# Altium PCB dAir_0.0.0.4_07052022.PcbDoc (part 2 of 2)
Units mm, origin at the board's own origin, x right, y up, seen from the top; angles counter-clockwise.
Board outline 90 x 83.2 mm, 2 copper layers (Top Layer, Bottom Layer); 92 components, 56 nets, 317 pads, 160 vias.
Unrouted connection lines stored in the file: 2.
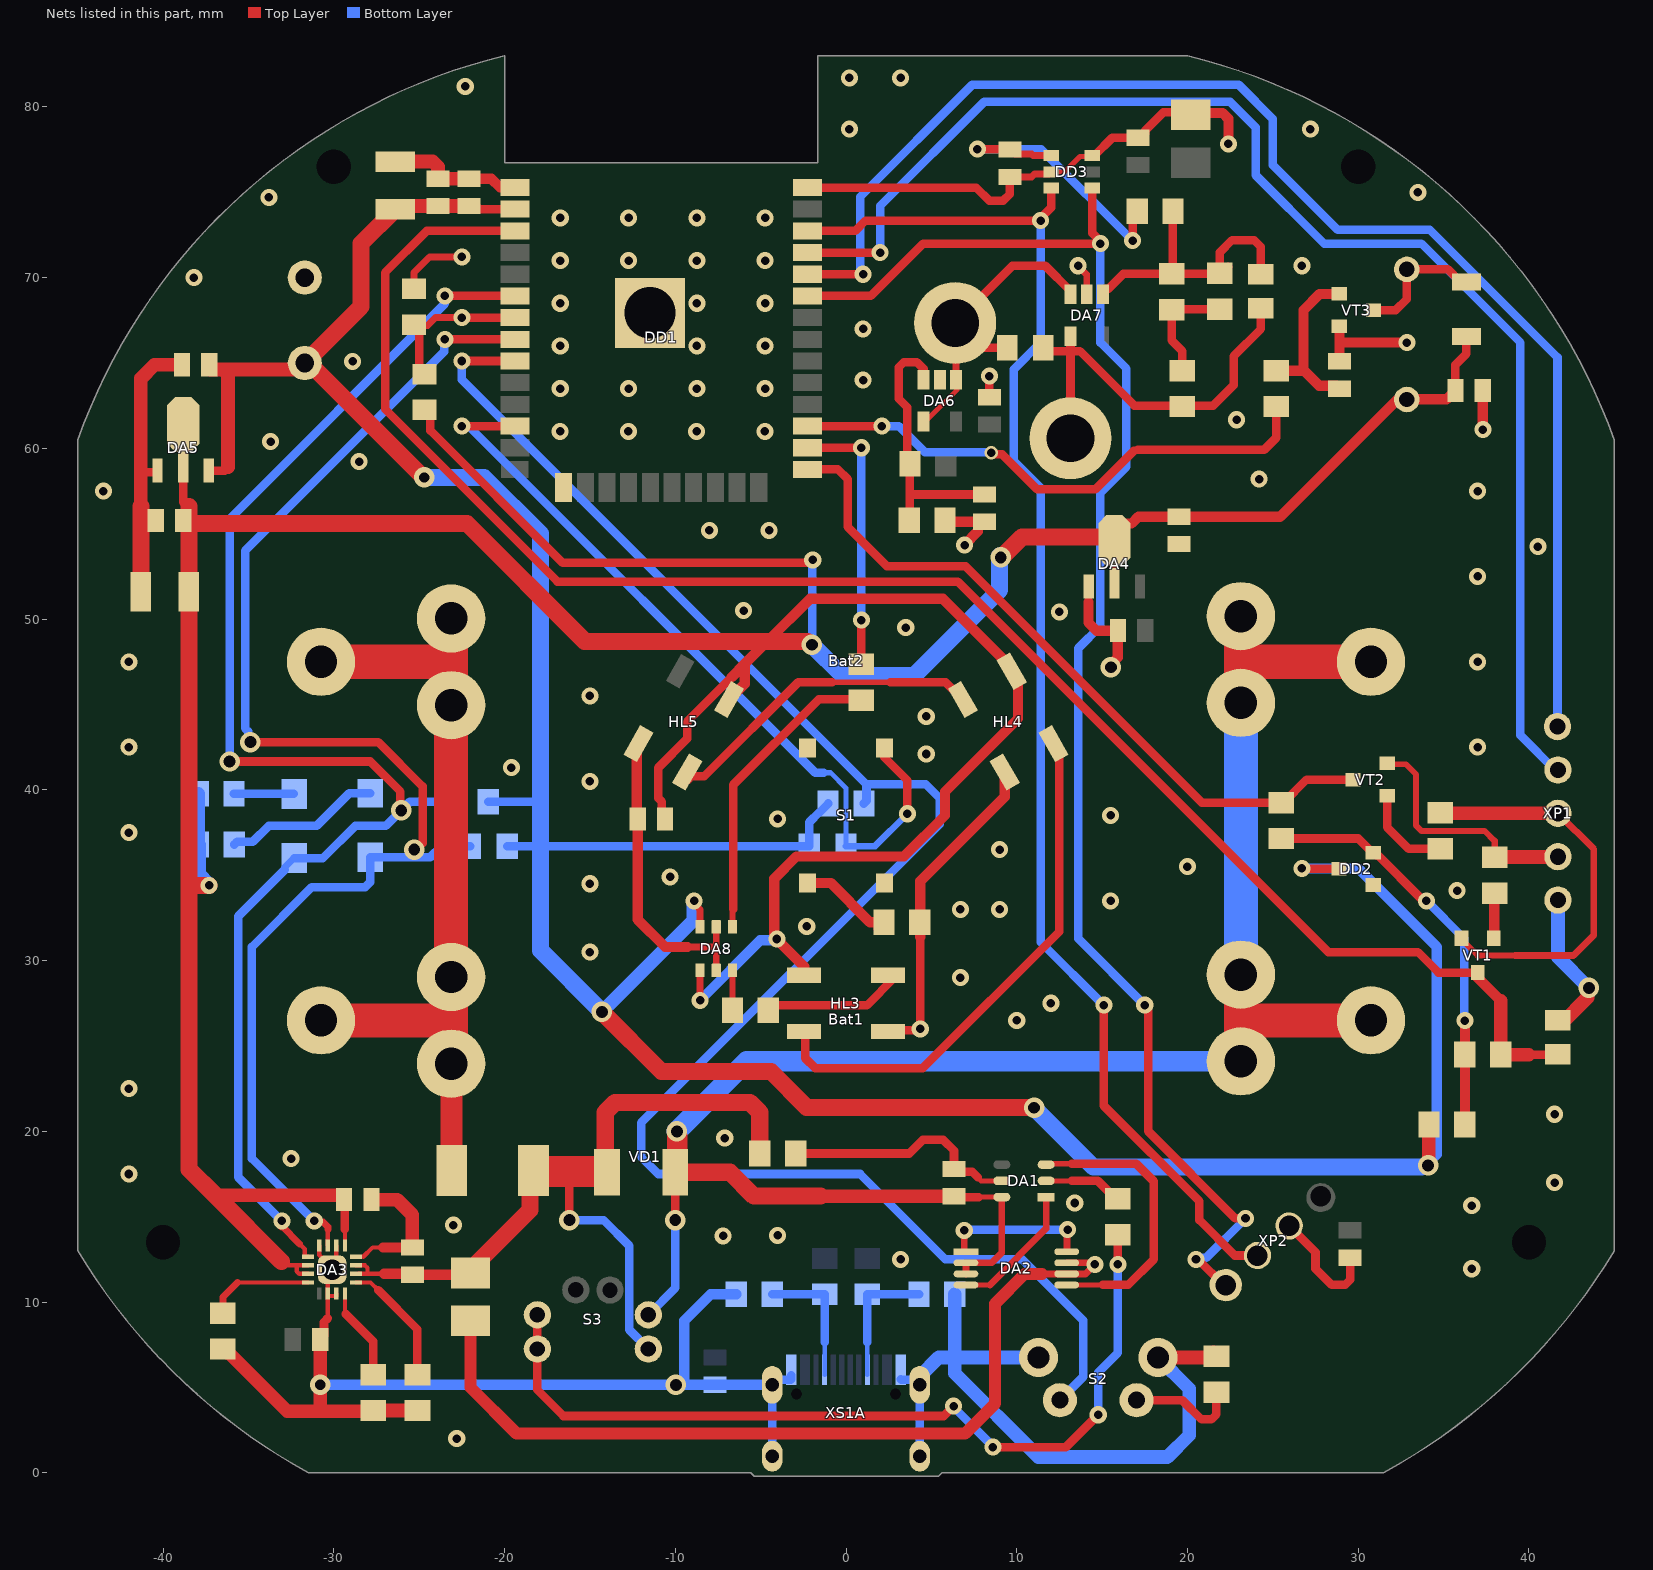
[diagram p2: the nets of this part, all layers, seen from the top]

## Via types
v1: diameter 1, hole 0.5, Top Layer to Bottom Layer, tented both sides, 96 vias
v2: diameter 1, hole 0.5, Top Layer to Bottom Layer, 33 vias
v3: diameter 1.2, hole 0.7, Top Layer to Bottom Layer, 23 vias
v4: diameter 1.2, hole 0.6, Top Layer to Bottom Layer, 3 vias
v5: diameter 1.2/1.05 (per signal layer), hole 0.7, Top Layer to Bottom Layer, 1 vias
v6: diameter 1, hole 0.5, Top Layer to Bottom Layer, tented bottom, 1 vias
v7: diameter 0.8, hole 0.5, Top Layer to Bottom Layer, 1 vias
v8: diameter 1.4, hole 1.2, Top Layer to Bottom Layer, 1 vias
v9: diameter 3.5, hole 3, Top Layer to Bottom Layer, 1 vias

## Nets (pads, with @x,y where several pads share a name; then routed paths per layer and width w, separated by ;. In a path a pad name is that pad's centre, name@x,y a point inside that pad or via, vN(x,y) a via of type N, cw(c..) or ccw(c..) an arc to the next point about the centre after c; other vN are vias at no path point) (continued)
+E: C6.1 C7.1 C8.2 C9.2 C15.2 C25.1 DA3.5 DA3.10 DA3.11 DA4.2 DA5.2 DA8.1 HL3.1 HL4.1 HL5.1 LS1.1 R10.1 R11.1 R14.2 VD2.1 | length 263.1
  Top Layer w0.25: -33.075,12.375 -32.85,12.15 -32.175,12.15 ; DA3.11@-31.5,11.65 -32.029,11.65 -32.175,11.796 -32.175,12.15 ; DA3.10@-31.5,12.15 -32.175,12.15 ; DA3.5@-29.35,13.3 -29.35,14.25
  Top Layer w0.3: DA4.2@15.725,52.3 DA4.2@15.725,54.8
  Top Layer w0.4: R14.2@-24.7,62.25 R14.2@-24.55,62.1 ; v2(-8.55,27.664) DA8.1@-8.55,29.425
  Top Layer w0.5: DA5.2@-38.825,61.4 DA5.2@-38.825,58.9 -38.825,56.95 ccw(c-38.475,56.95) -38.475,56.6 ; C6.1@-29.625,16.25 -29.4,16.025 C6.1@-29.4,16 -29.35,15.95 -29.35,14.25 ; R14.2@-24.8,62.1 -24.55,62.1 -24.545,62.1 -24.345,61.9 -24.345,61.045 -16.6,53.3 v2@-1.946,53.3 ; C15.2@-10.6,38.3 -10.795,38.495 -10.795,39.315 -11,39.52 -11,41.3 -9.3,43 -9.3,44 -6.696,46.604 ; C25.1@35.688,63.412 35.688,64.888 36.342,65.542 VD2.1@36.342,66.553
  Top Layer w0.6: HL5.1@-6.846,45.297 -5.925,46.218 -5.925,47.375 ; -6.696,46.604 -5.925,47.375 ; -2.45,29.65 -4.2,31.4 -4.2,34.8 -2.9,36.1 3.4,36.1 5.8,38.5 5.8,39.9 10.075,44.175 HL4.1@10.075,46.325 ; HL4.1@9.6,47.275 5.675,51.2 -2.1,51.2 -4.6,48.7 -5.925,47.375 ; DA4.2@15.725,54.6 15.725,54.951 16.375,55.601 16.726,55.601 17.125,56 25.425,56 LS1.1@32.577,63.152 ; DA4.2@15.725,54.8 DA4.2@15.725,55.151 ; LS1.1@32.85,62.88 35.18,62.88 C25.1@35.425,63.125
  Top Layer w0.8: -36.95,16.25 C6.1@-29.625,16.25 ; C25.1@35.625,63.125 35.7,63.2 C25.1@35.7,63.4 C25.1@35.688,63.412
  Top Layer w1: -38.475,56.6 C9.2@-38.475,55.6 ; v2(-37.3,34.41) -38.465,34.41 -38.475,34.4 ; -33.075,12.375 -36.95,16.25 -38.475,17.775 -38.475,34.4 ; v3(-2,48.5) -2.054,48.5 -2.254,48.7 -4.6,48.7 -15.3,48.7 -22.2,55.6 C9.2@-38.475,55.6 ; v3(9.065,53.623) 9.119,53.623 10.296,54.8 DA4.2@15.725,54.8 ; -38.475,34.4 C9.2@-38.475,55.6
  Bottom Layer w0.4: v3(-2,48.5) v3@-1.973,48.527 ; v2@-1.973,53.442 v2(-1.946,53.469)
  Bottom Layer w0.5: v3@-1.973,48.527 v2@-1.973,53.442
  Bottom Layer w0.6: v2(-8.55,27.664) -5.027,31.187 -4.127,31.187 v2(-4.05,31.264)
  Bottom Layer w0.8: R10.1@-37.938,39.762 -37.938,36.812 R11.1@-37.925,36.8 -37.9,36.775 -37.9,35.064 -37.3,34.464 v2(-37.3,34.41)
  Bottom Layer w1: v3(-2,48.5) -0.2,46.7 4,46.7 9,51.7 v3@9,53.7
Bat+: C3.1 C4.1 DA3.2 DA3.3 F1.2 R1.1 S3.3 VD1.1 | length 48.5
  Top Layer w0.25: DA3.3@-28.7,12.15 -28.171,12.15 -28.025,12.004 -28.025,11.65 ; DA3.2@-28.55,11.65 -27.05,11.65
  Top Layer w0.5: v3(-16.2,14.8) -16.2,17.55 -16.1,17.65
  Top Layer w0.6: -27.05,11.65 C4.1@-25.45,11.65 ; C4.1@-25.4,11.6 C3.1@-22,11.6
  Top Layer w0.8: C3.1@-22.2,11.8 C3.1@-22.2,11.9
  Top Layer w1: C3.1@-22.2,11.7 -18.511,15.389 -18.511,17.489 F1.2@-18.3,17.7 ; VD1.1@-14,17.6 -14.1,17.7 -14.1,21.114 -13.514,21.7 -5.636,21.7 -5.05,21.114 R1.1@-5.05,18.7
  Top Layer w1.8: F1.2@-18.3,17.7 -18.3,17.65 -16.1,17.65 VD1.1@-14.15,17.65
  Bottom Layer w0.5: v3(-16.2,14.8) -14.2,14.8 -12.7,13.3 -12.7,8.375 S3.3@-11.575,7.25
Bat-: Bat1.2 Bat2.2 C1.2 DA1.6 DA2.2 DA2.3 S3.4 VD1.2 | length 112.9
  Top Layer w0.3: 7.775,16.15 DA1.6@8.825,16.15
  Top Layer w0.4: DA2.3@7.025,11.65 DA2.2@7.025,12.3 8.525,12.3 9.125,12.9 DA1.6@9.125,16.15
  Top Layer w0.5: v3(-10,14.8) VD1.2@-10,17.6 ; C1.2@6.625,16.2 6.675,16.15 7.775,16.15
  Top Layer w0.8: -1.5,16.2 C1.2@6.325,16.2
  Top Layer w1: VD1.2@-10,17.6 -6.8,17.6 -5.4,16.2 -1.5,16.2
  Top Layer w1.2: VD1.2@-10,17.6 -9.884,17.716 v3@-9.884,19.7
  Top Layer w2: Bat1.2@23.13,24.097 23.13,26.5 ; Bat1.2@23.13,29.177 23.13,26.5 ; Bat2.2@23.13,45.097 Bat2.2@23.13,50.177 Bat2.2@23.37,49.937 ; 23.15,47.5 Bat2.2@30.75,47.5 ; Bat1.2@30.75,26.5 23.13,26.5
  Bottom Layer w0.5: S3.4@-11.575,9.25 -10,10.825 v3(-10,14.8)
  Bottom Layer w1.2: v3(-9.9,20) -5.803,24.097 Bat1.2@23.13,24.097
  Bottom Layer w2: Bat1.2@23.13,29.177 Bat2.2@23.13,45.097
GND: C2.2 C3.2 C4.2 C5.2 C6.2 C7.2 C8.1 C9.1 C10.1 C11.1 C12.1 C13.1 C14.2 C15.1 C16.2 C17.1 C18.1 C19.2 C21.2 C22.2 C23.1 C24.2 C25.2 C26.2 DA2.6 DA2.7 DA3.4 DA3.6 DA3.8 DA3.14 DA3.15 DA3.17 DA4.1 DA5.1 DA6.2 DA7.2 DA8.2 DA8.5 DD1.1 DD1.15 DD1.38 DD2.1 DD3.2 DD3.6 HL3.3 HL4.3 HL5.3 R2.1 R2.1.1 R5.2 R6.2 R7.2 R13.1 R20.1 R21.1 R25.1 S2.3 S2.4 VT3.2 XP1.1 XP2.2 XS1A.@4.32,0.97 XS1A.@4.32,5.15 XS1A.@-4.32,0.97 XS1A.@-4.32,5.15 XS1A.A1/B12 XS1A.B1/A12 | length 298.9
  Top Layer w0.25: DA3.8@-30.85,13.3 -30.85,12.761 -30.6,12.511 DA3.17@-30.6,12.4 ; -30.35,9.05 DA3.14@-30.35,10.35 ; DA3.15@-29.85,10.5 -29.85,10.35 DA3.14@-30.35,10.35 ; DA3.6@-29.85,13.3 -29.85,12.15 v8(-30.1,11.9) -30.35,11.65 DA3.14@-30.35,10.5 DA3.14@-30.35,10.35 ; DA3.17@-29.625,11.4 DA3.17@-29.6,11.4 ; -28.275,12.65 -27.725,13.2 -27.1,13.2
  Top Layer w0.3: R13.1@-25.2,69.35 R13.1@-24.8,69.75 ; DD3.2@12.025,76.2 12.8,76.2 13.701,77.101 14.501,77.101 DD3.6@14.55,77.15
  Top Layer w0.4: R13.1@-25.3,69.35 -25.3,70.3 -24.382,71.218 v1(-22.5,71.218) ; -9.3,30.8 -7.7,30.8 cw(c-7.7,30.7) -7.6,30.7 ; DA8.2@-7.6,29.425 -7.6,30.7 ; DA8.5@-7.6,31.975 -7.6,30.7 ; R25.1@5.8,55.8 R25.1@5.9,55.7 ; C21.2@9.6,75.9 10.875,75.9 11.05,76.075 11.9,76.075 DD3.2@12.025,76.2 ; 11.475,11.65 DA2.6@12.925,11.65 14.032,11.65 v1(14.582,12.2) 14.482,12.3 DA2.7@12.925,12.3 ; v1(13.6,70.7) 13.6,70.689 14.1,70.189 DA7.2@14.1,69.025 ; 14.2,51 14.2,52.075 DA4.1@14.225,52.1
  Top Layer w0.5: -41.3,58.6 -40.375,58.6 -40.325,58.55 DA5.1@-40.325,58.3 ; C9.1@-40.556,55.906 C9.1@-40.425,55.775 ; C5.2@-30.8,7.8 -30.575,8.025 -30.575,8.825 -30.35,9.05 ; C15.1@-12.252,38.352 C15.1@-12.2,38.3 ; DD1.38@-2.25,75.28 7.62,75.28 8.4,74.5 9.2,74.5 9.6,74.9 C21.2@9.6,75.9 C21.2@9.54,75.84 ; HL3.3@2.45,25.85 2.525,25.925 4.275,25.925 v1(4.35,26) 4.35,31.4 ; v1(6.95,54.339) v1@6.95,54.365 ; C18.1@7.9,55.7 C18.1@8.1,55.7 ; C19.2@8.4,63 v1(8.4,64.23) ; DD3.6@14.55,77.15 15.6,78.2 17.3,78.2 17.525,78.425 17.525,78.625 18.593,79.693 20.045,79.693 C22.2@20.2,79.537 ; XP2.2@25.958,14.457 27.5,12.915 27.5,11.95 28.45,11 29.232,11 29.525,11.293 C17.1@29.525,12.6
  Top Layer w0.6: -27.1,13.2 C4.2@-25.4,13.2 ; C12.1@-22.075,75.8 -20.77,75.8 -20.25,75.28 DD1.1@-19.4,75.28 ; C15.1@-12.252,38.352 HL5.3@-12.252,42.45 ; C15.1@-12.2,38.3 -12.2,32.4 -10.6,30.8 -9.3,30.8 ; 4.35,31.4 4.35,34.65 9.296,39.596 HL4.3@9.296,41.053 ; R25.1@5.9,55.7 7.9,55.7 7.725,55.525 7.725,55.14 v1@6.95,54.365 ; 14.2,51 14.2,49.8 14.675,49.325 C10.1@15.925,49.325 15.923,49.323 15.923,47.75 15.516,47.343 v3(15.516,47.181) ; C8.1@19.5,54.4 C8.1@19.508,54.392 ; C22.2@20.2,79.65 22.05,79.65 22.398,79.302 v1(22.398,77.84) v1@22.321,77.917 ; C24.2@28.9,65.1 28.9,66.125 ; VT3.2@28.9,67.15 28.9,66.125 ; v1(32.85,66.2) 28.975,66.2 28.9,66.125 ; v1(37.3,61.1) C25.2@37.3,63.4
  Top Layer w0.7: C3.2@-22,8.875 -22,5 -19.3,2.3 6.975,2.3 8.725,4.05 8.725,9.9 10.475,11.65 11.475,11.65
  Top Layer w0.8: -41.3,56.6 -41.3,58.6 -41.3,64.1 -40.5,64.9 C11.1@-38.9,64.9 ; R6.2@-36.5,7.25 -36.275,7.025 -36.15,7.025 -32.725,3.6 -30.8,3.6 ; C5.2@-30.8,7.8 v4(-30.8,5.15) -30.8,3.6 ; C6.2@-27.8,16 -26.3,16 -25.4,15.1 C4.2@-25.4,13.2 ; R7.2@-27.7,3.65 R5.2@-25.1,3.65 ; R7.2@-27.449,3.6 -30.8,3.6 ; C14.2@-26.4,76.8 -24.2,76.8 -23.9,76.5 C13.1@-23.9,75.8 C12.1@-22.075,75.8 ; S2.3@18.275,6.75 21.225,6.75 R21.1@21.525,7.05 ; C16.2@41.95,26.35 43.433,27.833 43.433,28.324 v3(43.509,28.4)
  Top Layer w1: C7.2@-41.3,51.775 -41.3,56.6
  Bottom Layer w0.5: XS1A.@-4.32,0.97 XS1A.@-4.32,5.15 ; XS1A.@-4.089,5.437 -3.25,5.437 -3.2,5.487 XS1A.B1/A12@-3.2,5.725 ; XS1A.A1/B12@3.2,5.487 3.25,5.437 XS1A.@4.089,5.437 ; XS1A.@4.32,0.97 XS1A.@4.32,5.15
  Bottom Layer w0.6: v4(-30.8,5.15) v3@-9.475,5.15 ; R2.1.1@-6.425,10.45 -7.925,10.45 -9.475,8.9 v3@-9.475,5.15 ; XS1A.@-4.32,5.15 C2.2@-7.675,5.15 v3@-9.475,5.15
  Bottom Layer w0.8: XS1A.@4.32,5.15 4.32,5.646 5.424,6.75 6.375,6.75 ; R2.1@6.375,10.45 6.375,6.75 ; S2.4@11.275,6.75 6.375,6.75 ; S2.3@18.275,6.75 20.1,4.925 20.1,2.2 18.825,0.925 11.275,0.925 6.375,5.825 6.375,6.75 ; XP1.1@41.7,33.545 41.7,30.21 v3(43.509,28.4)
  other v1: -22.8,2 36.65,11.95 3.2,12.5 -7.2,13.875 -4,13.9 -23,14.5 36.65,15.65 13.4,15.8 41.5,17 -42,17.5 -32.5,18.4 -7.1,19.6 41.5,21 -42,22.5 10,26.5 12,27.5 6.7,29 -15,30.5 -2.3,32 6.7,33 9,33 15.5,33.5 35.8,34.1 -15,34.5 -10.3,34.9 20,35.5 9,36.5 -42,37.5 -4,38.3 15.5,38.5 -15,40.5 -19.6,41.3 4.7,42.1 -42,42.5 37,42.5 4.7,44.3 -15,45.5 -42,47.5 37,47.5 3.5,49.5 12.5,50.425 -6,50.5 37,52.5 40.525,54.25 -8,55.2 -4.5,55.2 -43.5,57.5 37,57.5 24.2,58.2 -28.523,59.221 -33.7,60.4 -16.75,61 -12.75,61 -8.75,61 -4.75,61 22.88,61.677 -16.738,63.5 -12.738,63.5 -8.738,63.5 -4.738,63.5 1,64 -28.9,65.1 -16.738,66 -8.738,66 -4.738,66 1,67 -16.738,68.5 -8.738,68.5 -4.738,68.5 -38.2,70 26.7,70.7 -16.738,71 -12.738,71 -8.738,71 -4.738,71 -16.738,73.5 -12.738,73.5 -8.738,73.5 -4.738,73.5 -33.8,74.7 33.5,75 0.2,78.7 27.2,78.7 -22.3,81.2 0.2,81.7 3.2,81.7
  other v3: -9.96,5.15
  other v9: -11.48,67.94
NetBAT1_1: Bat1.1 Bat2.1 F1.1 | length 48.5
  Top Layer w1.3: Bat1.1@-23.13,23.96 -23.115,23.945 -23.115,17.715 F1.1@-23.1,17.7 ; Bat1.1@-23.1,23.24 Bat1.1@-22.38,23.96
  Top Layer w2: Bat1.1@-30.75,26.5 Bat1.1@-30,26.5 ; Bat2.1@-30.75,47.5 -23.131,47.5 ; Bat1.1@-29.8,26.3 Bat1.1@-30,26.5 ; -23.2,26.5 Bat1.1@-30,26.5 ; Bat1.1@-23.13,24.47 Bat1.1@-23.13,29.04 Bat2.1@-23.13,44.96 Bat2.1@-23.13,50.04
  Bottom Layer w2: Bat1.1@-30.75,26.5 Bat1.1@-30.65,26.6
NetC1_1: C1.1 DA1.5 R1.2 | length 14
  Top Layer w0.3: 7.725,17.3 7.925,17.1 DA1.5@9.125,17.1
  Top Layer w0.5: R1.2@-2.95,18.7 3.7,18.7 4.5,19.5 5.7,19.5 6.325,18.875 C1.1@6.325,17.8 6.425,17.8 6.58,17.645 7.38,17.645 7.725,17.3
NetC16_1: C16.1 DD1.3 R16.2 VT1.3 | length 103
  Top Layer w0.5: DD1.3@-19.4,72.74 -24.56,72.74 -27,70.3 -27,62.3 -16.9,52.2 6.55,52.2 28.25,30.5 33.5,30.5 34.7,29.3 VT1.3@37,29.3 ; 40,24.487 C16.1@41.7,24.487
  Top Layer w0.6: VT1.3@37,29.3 37,29 38.35,27.65
  Top Layer w0.8: 38.35,27.65 R16.2@38.35,24.5 38.362,24.487 40,24.487
NetC18_2: C18.2 DA6.3 R24.1 R25.2 | length 16
  Top Layer w0.5: R25.2@3.7,55.8 3.725,55.825 3.725,57.4 ; DA6.3@4.55,64.025 4.55,64.65 4.141,65.059 3.393,65.059 3.1,64.766 3.1,64.559 3.1,62.9 3.6,62.4 3.6,59.25 R24.1@3.75,59.1 3.725,59.075 3.725,57.4 ; C18.2@8.1,57.3 3.825,57.3 3.725,57.4
NetC20_1: C20.1 DA7.1 R28.2 R29.1 Rt1.2 | length 17.5
  Top Layer w0.5: DA7.1@15.05,69.025 15.05,69.25 15.15,69.35 15.375,69.35 16.25,70.225 Rt1.2@19.075,70.225 Rt1.2@19.087,70.237 ; R29.1@19.15,73.9 19.15,70.3 Rt1.2@19.087,70.237 ; R28.2@22.4,70.625 22.025,70.25 R28.2@21.9,70.25 R28.2@21.887,70.237 ; C20.1@24.3,70.2 24.3,71.8 23.9,72.2 22.612,72.2 21.887,71.475 R28.2@21.887,70.237 ; Rt1.2@19.087,70.237 R28.2@21.887,70.237
NetC20_2: C20.2 DA7.4 R26.2 R27.1 V1_1.1W | length 24.6
  Top Layer w0.5: R26.2@11.4,65.7 13.05,65.7 ; DA7.4@13.15,66.575 13.15,65.7 ; V1_1.1W@13.361,60.595 V1_1.1W@13.15,60.595 13.15,65.6 ; R27.1@19.7,62.45 19.64,62.51 16.89,62.51 13.7,65.7 13.15,65.7 ; R27.1@19.7,62.51 21.51,62.51 22.7,63.7 22.7,65.4 24.3,67 C20.2@24.3,68.2 ; 13.05,65.7 13.15,65.7 ; 13.05,65.7 13.15,65.6 ; 13.15,65.6 13.15,65.7
NetC21_1: C21.1 DD3.1 R29.2 | length 17.6
  Top Layer w0.4: C21.1@9.6,77.5 9.862,77.237 10.875,77.237 10.962,77.15 DD3.1@12.025,77.15
  Top Layer w0.5: v2(7.692,77.525) 7.704,77.512 9.588,77.512 C21.1@9.6,77.5 ; v2(16.785,72.168) 16.785,73.635 R29.2@17.05,73.9
  Bottom Layer w0.5: v2(7.692,77.525) 7.704,77.512 11.441,77.512 v2(16.785,72.168)
NetC24_1: C24.1 R30.1 VT3.1 | length 10.2
  Top Layer w0.6: R30.1@25.2,64.55 26.8,64.55 ; C24.1@28.9,63.5 28.725,63.675 27.725,63.675 26.85,64.55 26.8,64.55 ; VT3.1@28.9,69.05 27.75,69.05 26.8,68.1 26.8,64.55
NetDA1_1: DA1.1 DA2.4 | length 7.9
  Top Layer w0.3: DA2.4@7.025,11 8.425,11
  Top Layer w0.4: 8.425,11 11.725,14.3 DA1.1@11.725,16.15
NetDA1_2: DA1.2 R4.1 | length 4.5
  Top Layer w0.3: DA1.2@11.725,17.1 13.225,17.1
  Top Layer w0.5: 13.225,17.1 14.75,17.1 R4.1@15.8,16.05
NetDA1_3: DA1.3 DA2.5 | length 17
  Top Layer w0.3: DA1.3@11.725,18.05 11.763,18.088 12.155,18.088 12.166,18.1 13.225,18.1 ; DA2.5@12.925,11 15.025,11
  Top Layer w0.5: 13.225,18.1 17,18.1 18.025,17.075 18.025,12.5 16.525,11 15.025,11
NetDA2_1: DA2.1 DA2.8 | length 8.8
  Top Layer w0.4: v2(6.925,14.2) 6.925,12.95 DA2.1@7.025,12.95 ; DA2.8@12.925,12.95 12.953,12.95 12.953,14.217 v2(12.98,14.245)
  Bottom Layer w0.4: v2(6.925,14.2) v2@6.947,14.222 ; v2@12.958,14.222 v2(12.98,14.245)
  Bottom Layer w0.5: v2@6.947,14.222 v2@12.958,14.222
NetDA3_1: DA3.1 R5.1 | length 7.4
  Top Layer w0.25: DA3.1@-28.7,11.15 -27.85,11.15 -27.4,10.7
  Top Layer w0.5: -27.4,10.7 -25.1,8.4 R5.1@-25.1,5.75
NetDA3_7: DA3.7 DD1.8 HL1.1 R8.2 | length 83
  Top Layer w0.25: DA3.7@-30.35,13.3 -30.35,14.25
  Top Layer w0.4: v2@-31.095,14.7 -30.643,14.7 -30.35,14.407 -30.35,14.25
  Top Layer w0.5: v3(-34.89,42.8) -27.4,42.8 -24.8,40.2 -24.8,36.867 ; v2@-31.095,14.7 v2(-31.145,14.75) v2@-31.01,14.75 ; v2(-23.5,66.39) -23.49,66.4 -19.41,66.4 DD1.8@-19.4,66.39
  Bottom Layer w0.5: v3(-34.89,42.8) -35.024,42.934 -35.024,43.424 -35.2,43.6 -35.2,54 -23.539,65.661 -23.539,66.351 v2(-23.5,66.39) ; v2(-31.145,14.75) -34.8,18.405 -34.8,30.8 -31.3,34.3 -28.168,34.3 -27.875,34.593 HL1.1@-27.875,36.05 -24.35,36.05 -23.7,36.7 R8.2@-22,36.7
  other v3: -25.29,36.5
NetDA3_9: DA3.9 DD1.6 HL2.1 R9.2 | length 85.7
  Top Layer w0.25: v2@-33.1,14.695 v2(-33.045,14.75) ; -32,13.4 -31.7,13.1 -31.7,12.655 -31.695,12.65 DA3.9@-31.5,12.65
  Top Layer w0.4: v2@-33.045,14.445 -32,13.4
  Top Layer w0.5: v3(-36.1,41.661) -27.861,41.661 -26.1,39.9 v5@-26.1,38.8 ; v2@-33.045,14.445 v2(-33.045,14.75) ; v2(-23.5,68.93) DD1.6@-19.4,68.93
  Bottom Layer w0.4: HL2.1@-32.875,35.325 -32.875,35.45 HL2.1@-32.325,36
  Bottom Layer w0.5: v3(-36.1,41.661) -36.1,55.868 -23.5,68.468 v2(-23.5,68.93) ; v2(-33.045,14.75) -35.6,17.305 -35.6,32.6 HL2.1@-32.875,35.325 ; HL2.1@-32.325,36 -30.637,36 -28.737,37.9 -26.95,37.9 v5(-26.05,38.8) -25.55,39.3 R9.2@-23.05,39.3
NetDA3_12: DA3.12 R6.1 | length 6.3
  Top Layer w0.25: -35.65,11.15 -33.55,11.15 DA3.12@-31.5,11.15
  Top Layer w0.4: R6.1@-36.5,9.35 -36.5,10.3 -35.65,11.15
NetDA3_16: DA3.16 R7.1 | length 5.4
  Top Layer w0.25: DA3.16@-29.35,10.5 -29.35,9.35 -29.3,9.3
  Top Layer w0.5: -29.3,9.3 -27.7,7.7 R7.1@-27.7,5.75
NetDA6_1: DA6.1 DA6.4 DA7.3 R26.1 V1_1.232 | length 17.3
  Top Layer w0.3: DA6.4@4.6,61.525 6.487,63.412 ; DA6.1@6.45,64.125 6.487,64.087 DA6.1@6.487,63.512
  Top Layer w0.4: DA6.1@6.45,64.125 V1_1.232@6.45,65.525
  Top Layer w0.5: R26.1@9.45,65.9 7.845,65.9 V1_1.232@6.395,67.35 9.745,70.7 11.675,70.7 13.15,69.225 DA7.3@13.15,69.025
NetDA8_3: DA8.3 R15.1 | length 2.3
  Top Layer w0.35: R15.1@-6.65,27.1 DA8.3@-6.65,29.425
NetDA8_4: DA8.4 R12.1 | length 17.8
  Top Layer w0.35: DA8.4@-6.65,31.975 -6.65,32.916
  Top Layer w0.5: -6.6,33 -6.6,40.3 -1.6,45.3 0.85,45.3 R12.1@0.9,45.25
NetDD1_7: DD1.7 R13.2 R14.1 | length 9.7
  Top Layer w0.3: R13.2@-25.2,67.25 R13.2@-24.882,67.567
  Top Layer w0.4: R13.2@-25.3,67.25 -25.25,67.2 -25.15,67.2 -24.5,67.2 -24.04,67.66 v2(-22.5,67.66)
  Top Layer w0.5: R13.2@-25.2,67.25 -25.15,67.2 -25,67.05 -25,64.65 R14.1@-24.7,64.35 ; v2(-22.5,67.66) DD1.7@-19.4,67.66
NetDD1_9: DD1.9 R22.1 S2.2 | length 107.1
  Top Layer w0.5: v2(-22.5,65.12) DD1.9@-19.4,65.12
  Bottom Layer w0.5: v2(-22.5,65.12) -22.5,64.016 1.2,40.316 ; R22.1@1.05,39.2 1.2,39.35 1.2,40.316 ; S2.2@12.525,4.418 S2.2@12.525,4.25 13.9,5.625 13.9,8.925 10.325,12.5 5.825,12.5 0.825,17.5 -11,17.5 -12,18.5 -12,20.5 5.5,38 5.5,39.5 4.684,40.316 1.2,40.316
NetDD1_12: DD1.12 R23.1 S1.3 S1.4 | length 46.1
  Top Layer w0.4: 2.25,41.9 S1.4@2.25,41.95
  Top Layer w0.5: v2@-22.596,61.3 DD1.12@-19.496,61.3 ; 2.25,41.9 3.6,40.55 v2(3.6,38.6)
  Bottom Layer w0.3: -1.3,41 -0.9,41 0,40.1 R23.1@0,36.7
  Bottom Layer w0.4: R23.1@0,36.7 1.7,36.7 v2(3.6,38.6)
  Bottom Layer w0.5: v2(-22.5,61.31) -22.11,61.31 -1.8,41 -1.3,41
NetDD1_25: DD1.25 R31.1 VT2.3 | length 42.2
  Top Layer w0.5: DD1.25@-2.25,58.77 -0.47,58.77 0.1,58.2 0.1,55.4 2.4,53.1 7,53.1 20.85,39.25 R31.1@25.5,39.25 25.625,39.25 26.975,40.6 VT2.3@29.7,40.6
NetDD1_26: DD1.26 R12.2 | length 15.8
  Top Layer w0.5: DD1.26@-2.25,60.04 v2(0.9,60.04) ; R12.2@0.9,47.4 v2(0.9,49.94)
  Bottom Layer w0.5: v2(0.9,49.94) v2(0.9,60.04)
NetDD1_27: DD1.27 R30.2 | length 31.8
  Top Layer w0.5: DD1.27@-2.25,61.31 v2(2.1,61.31) ; v7(8.5,59.75) 8.596,59.654 9.146,59.654 11.2,57.6 14.6,57.6 16.85,59.85 ; 17.095,59.919 17.134,59.925 24.5,59.925 25.2,60.625 R30.2@25.2,62.45
  Bottom Layer w0.5: v2(2.1,61.31) 3.09,61.31 4.625,59.775 v7@8.5,59.775
NetDD1_33: DD1.33 DD3.4 XP2.4 | length 91.4
  Top Layer w0.5: DD1.33@-2.25,68.93 1.45,68.93 4.52,72 v2(14.9,72) 14.9,72.135 14.425,72.61 DD3.4@14.425,75.25 ; v2(17.5,27.389) 17.5,27.254 17.7,27.054 17.7,20 22.8,14.9 v2(23.4,14.9) ; v2(20.5,12.5) 20.618,12.5 22.125,10.993 XP2.4@22.242,10.993
  Bottom Layer w0.5: v2(14.9,72) 14.9,66.2 16.425,64.675 16.425,58.925 14.9,57.4 14.9,49.597 13.6,48.297 13.6,31.289 v2(17.5,27.389) ; v2(20.5,12.5) 20.596,12.596 21.096,12.596 v2(23.4,14.9)
NetDD1_34: DD1.34 XP1.5 | length 81.2
  Top Layer w0.5: DD1.34@-2.245,70.2 v2@0.995,70.2
  Bottom Layer w0.5: v2@0.829,70.2 0.829,74.729 7.4,81.3 23,81.3 25,79.3 25,76.6 28.8,72.8 34.2,72.8 41.675,65.325 XP1.5@41.675,43.705
  other v2: 1,70.2
NetDD1_35: DD1.35 XP1.4 | length 80.5
  Top Layer w0.5: DD1.35@-2.245,71.47 v2@1.995,71.47
  Bottom Layer w0.5: v2(2,71.47) 2,74.2 8.1,80.3 22.5,80.3 24,78.8 24,76 28,72 33.7,72 39.5,66.2 39.5,43.2 XP1.4@41.617,41.082
NetDD1_36: DD1.36 DD3.3 XP2.3 | length 84
  Top Layer w0.5: DD1.36@-2.25,72.74 0.54,72.74 1.144,73.344 v2(11.4,73.344) 11.4,73.48 12.025,74.105 DD3.3@12.025,75.25 ; v2(15.1,27.389) 15.1,21.5 20.7,15.9 20.7,14.8 22.775,12.725 XP2.3@24.1,12.725
  Bottom Layer w0.5: v2(11.4,73.344) 11.4,66.2 9.825,64.625 9.825,59.268 11.4,57.693 11.4,31.089 v2(15.1,27.389)
NetDD2_2: DD2.2 R16.1 R17.1 R31.2 | length 24
  Top Layer w0.5: R31.2@25.5,37.15 30,37.15 30.825,36.325 DD2.2@30.875,36.325 31.025,36.175 31.144,36.175 33.724,33.596 33.904,33.596 v2(34,33.5)
  Top Layer w0.6: R17.1@36.25,20.4 R16.1@36.25,24.5 v2(36.25,26.489)
  Bottom Layer w0.5: v2(34,33.5) 36.2,31.3 36.2,26.539 v2(36.25,26.489)
NetHL1_2: HL1.2 R11.2 | length 9.2
  Bottom Layer w0.5: R11.2@-35.825,36.8 -35.668,36.957 -34.743,36.957 -33.8,37.9 -31,37.9 -29.1,39.8 HL1.2@-27.875,39.8
NetHL2_2: HL2.2 R10.2 | length 3.5
  Bottom Layer w0.5: R10.2@-35.85,39.775 HL2.2@-32.35,39.775
NetHL3_2: HL3.2 HL4.4 | length 29.9
  Top Layer w0.5: HL3.2@-2.384,25.525 -2.384,24.284 -1.8,23.7 4.5,23.7 12.5,31.7 HL4.4@12.5,41.947
NetHL3_4: HL3.4 R15.2 | length 8.8
  Top Layer w0.5: R15.2@-4.55,27.1 -4.275,27.375 1.225,27.375 HL3.4@2.85,29 ; HL3.4@1.95,28.95 2.15,29.15 HL3.4@2.45,29.15
NetHL4_2: HL4.2 HL5.4 | length 18.9
  Top Layer w0.3: -0.8,46.3 2.6,46.3
  Top Layer w0.5: HL5.4@-9.296,40.553 -9.046,40.804 -8.296,40.804 -2.8,46.3 -0.8,46.3 ; 2.6,46.3 5.832,46.3 6.835,45.297 HL4.2@6.846,45.297
NetLS1_2: LS1.2 VD2.2 VT3.3 | length 8.4
  Top Layer w0.5: VT3.3@30.9,68.1 32.2,68.1 32.85,68.75 LS1.2@32.85,70.485 ; LS1.2@32.659,70.309 32.85,70.5 35.245,70.5 35.992,69.753 VD2.2@36.342,69.753 ; LS1.2@32.687,70.112 32.85,70.275 LS1.2@32.85,70.175
NetR2.1_2: R2.1.2 R3.1.1 XS1A.A8 | length 7.8
  Bottom Layer w0.25: XS1A.A8@-1.25,5.725 XS1A.A8@-1.25,6.035 -1.25,7.65
  Bottom Layer w0.5: R2.1.2@-4.325,10.45 R3.1.1@-1.25,10.45 -1.25,7.65
NetR2_2: R2.2 R3.1 XS1A.A5 | length 7.7
  Bottom Layer w0.25: XS1A.A5@1.25,5.725 XS1A.A5@1.25,6.035 1.25,7.65
  Bottom Layer w0.5: 1.25,7.65 R3.1@1.25,10.45 R2.2@4.275,10.45
NetR4_2: R4.2 S3.1 S3.2 | length 51.5
  Top Layer w0.5: S3.2@-18.075,9.25 S3.1@-18.075,7.25 -18.075,4.85 -16.55,3.325 5.725,3.325 v2(6.3,3.9) ; v2(8.6,1.5) 12.875,1.5 v6(14.775,3.4) ; R4.2@15.593,13.618 R4.2@15.925,13.95 v1(15.925,12.2)
  Bottom Layer w0.5: v2(6.3,3.9) 6.3,3.85 8.6,1.55 v2(8.6,1.5) ; v6(14.775,3.4) 14.775,5.875 15.925,7.025 v1(15.925,12.2)
NetR18_1: R18.1 VT1.1 | length 2.7
  Top Layer w0.6: VT1.1@37.95,31.3 37.975,31.325 37.975,33.925 R18.1@38,33.95
NetR18_2: R18.2 VT2.2 XP1.2 | length 14.6
  Top Layer w0.35: VT2.2@31.7,41.55 31.75,41.5 32.8,41.5 33.4,40.9 33.4,37.9 33.7,37.6 37.4,37.6 38,37
  Top Layer w0.4: R18.2@38,36.05 38,37
  Top Layer w0.8: R18.2@38,36.05 38.017,36.067 41.682,36.067 XP1.2@41.7,36.085
NetR19_1: R19.1 VT2.1 | length 5.5
  Top Layer w0.5: VT2.1@31.7,39.65 31.7,37.8 32.95,36.55 R19.1@34.8,36.55
NetR19_2: R19.2 VT1.2 XP1.3 | length 23.6
  Top Layer w0.35: VT1.2@36.05,31.3 36.05,31.25 36.753,30.547 37,30.3 39.2,30.3
  Top Layer w0.4: 39.2,30.3 42.6,30.3 43.8,31.5 43.8,36.525 XP1.3@41.7,38.625
  Top Layer w0.8: R19.2@34.8,38.65 34.812,38.637 41.687,38.637 XP1.3@41.7,38.625
NetR20_2: R20.2 S1.1 S1.2 | length 5.4
  Top Layer w0.6: S1.1@-2.25,34.55 -0.9,34.55 1.4,32.25 R20.2@2.225,32.25
NetR21_2: R21.2 S2.1 | length 6.6
  Top Layer w0.5: S2.1@17.025,4.25 19.7,4.25 20.825,3.125 21.407,3.125 21.7,3.418 R21.2@21.7,4.725
NetR27_2: R27.2 R28.1 Rt1.1 | length 6.7
  Top Layer w0.5: R27.2@19.7,64.55 19.7,65.7 19.075,66.325 Rt1.1@19.075,68.125 19.087,68.137 21.887,68.137 R28.1@21.9,68.15
NetS2_3: 
NetS3_3: 
"V ESP": C11.2 C12.2 C13.2 C14.1 C26.1 DA5.3 DA8.6 DD1.2 DD2.3 R8.1 R9.1 R17.2 R22.2 R23.2 | length 191.1
  Top Layer w0.4: v2(-8.9,33.5) -8.9,33.338 -8.55,32.988 DA8.6@-8.55,31.975
  Top Layer w0.5: DA5.3@-37.325,58.7 -36.4,58.7 -36.2,58.9 ; C12.2@-21.98,74.01 DD1.2@-19.495,74.01 ; v2(26.7,35.4) 26.713,35.387 28.862,35.387 DD2.3@28.875,35.375
  Top Layer w0.8: C11.2@-37.3,64.9 -37.3,64.7 -37.225,64.625 -36.494,64.625 ; -36.2,58.9 -36.2,64.331 -36.494,64.625 ; C26.1@-32.075,64.625 -36.2,64.625 -36.494,64.625 ; C14.1@-26.1,73.925 -25.825,74.2 C12.2@-21.8,74.2 ; v3(34.1,18) 34.125,18.025 34.125,20.375 R17.2@34.15,20.4
  Top Layer w1: C14.1@-26.4,74 -28.4,72 -28.4,68.3 C26.1@-31.7,65 -31.454,65 -24.754,58.3 v4(-24.7,58.3) ; v3(-14.3,27) -10.8,23.5 -4.4,23.5 -2.3,21.4 v3@10.8,21.4
  Bottom Layer w0.5: R9.1@-20.95,39.3 -17.9,39.3 ; R8.1@-19.85,36.7 -17.9,36.7 R23.2@-2.15,36.7 -2.15,38.1 -1.55,38.7 -1.525,38.7 -1.05,39.175 R22.2@-1.05,39.2
  Bottom Layer w0.6: v2(26.7,35.4) 30,35.4 34.6,30.8 34.6,18.651 34.1,18.151 v3(34.1,18)
  Bottom Layer w0.8: v3(-14.3,27) -8.938,32.362 -8.938,33.462 v2(-8.9,33.5)
  Bottom Layer w1: v4(-24.7,58.3) -21.2,58.3 -17.9,55 -17.9,39.3 -17.9,36.7 -17.9,30.6 v3(-14.3,27) ; v3(11.016,21.381) 14.497,17.9 v3@33.717,17.9
pads on no net: DA1.4 DD1.4 DD1.5 DD1.10 DD1.11 DD1.13 DD1.14 DD1.16 DD1.17 DD1.18 DD1.19 DD1.20 DD1.21 DD1.22 DD1.23 DD1.24 DD1.28 DD1.29 DD1.30 DD1.31 DD1.32 DD1.37 HL5.2 S3.5 S3.6 VD1.0 XS1A.@2.89,4.625 XS1A.@-2.89,4.625 XS1A.A6 XS1A.A7 XS1A.B5 XS1A.B6 XS1A.B7 XS1A.B8

## Polygon pours and split planes (outlines as drawn)
no net on Top Overlay "NONET_L01_P000" (solid, pour order 0): -30.7,37.4 cw(c-30.7,36.2) -29.5,36.2 cw(c-30.7,36.2) -30.7,35
GND on Top Layer "NONET_L-01_P-001" (solid, remove dead copper, pour order 14): -45,0 45,0 45,83 -1.625,83 -1.625,76.725 -20,76.725 -20,83 -45,83
no net on Bottom Solder "NONET_L-01_P-001" (solid): -38.75,32 -38.75,26 -44.75,26 -44.75,32
no net on Top Solder "NONET_L-01_P-001" (solid): -39.375,32 -39.375,26 -44.75,26 -44.75,32
GND on Bottom Layer "NONET_L-01_P-001" (solid, remove dead copper, pour order 13): -45,0 45,0 45,83 -1.625,83 -1.625,76.725 -20,76.725 -20,83 -45,83

## Other copper
Bottom Layer:
  pour cut-out: 20.8,54.5 30.5,54.5 30.5,52 34,52 34,43 30.5,43 30.5,40.5 20.8,40.5
  pour cut-out: 20.8,33.5 30.5,33.5 30.5,31 34,31 34,22 30.5,22 30.5,19.5 20.8,19.5
  pour cut-out: -20.8,33.5 -30.5,33.5 -30.5,31 -34,31 -34,22 -30.5,22 -30.5,19.5 -20.8,19.5
  pour cut-out: -20.8,54.5 -30.5,54.5 -30.5,52 -34.5,52 -34.5,43 -30.5,43 -30.5,40.5 -20.8,40.5

## Silkscreen, mask and mechanical layers (free items; w line width, h text height)
Top Overlay:
  circle w0.2: c-30.7,36.225 r1.8
  circle w0.2: c-30,76.5 r1.75
  circle w0.2: c30,76.5 r1.75
  circle w0.2: c40,13.5 r1.75
  circle w0.2: c-40,13.5 r1.75
  circle w0.254: c0,38.5 r16.5
  circle w0.254: c0,38.5 r11
  lines w0.1: -6.2,46.7 -6,46.2 -5.8,46.7 -6,46.7 -6.2,46.7 ; -4.75,28.5 -4.75,28.7 -4.75,28.9 -4.25,28.7 -4.75,28.5 ; 8.8,48.45 9,48.45 9.2,48.45 9,47.95 8.8,48.45
  lines w0.2: -30.7,35.025 ccw(c-30.7,36.225) -30.7,37.425 -30.7,36.225 -30.7,35.025
  text "D-Air 0.0.0.4" at -37.106,31.3 h3
  text "+" at -8.6,15.994 h2
Bottom Overlay:
  lines w0.254: -33.975,30.5 33.95,30.5 ; -33.975,45.625 33.95,45.625
  text "A1" at 21.525,4.975 h3 r270
Mechanical 1:
  lines w0.25: -45,13 -45,60.5 ; -44.997,13.006 ccw(c-14.036,31.639) -31.493,0 -5.575,0 -5.375,-0.2 5.425,-0.2 5.625,0 31.493,0 ; -20,83 -20,76.725 -1.625,76.725 -1.625,83 20,83 ; 31.496,-0.006 ccw(c14.039,31.633) 45,13 45,60.5
  lines w0.254: -45,60.5 cw(c-11.581,48.506) -20,83 ; 20,83 cw(c11.548,48.47) 45,60.5 ; 44.998,13.006 cw(c36.275,9.45) 45,13